# KiCad board IOT-Mess-Sens-Panelized.kicad_pcb (continued)
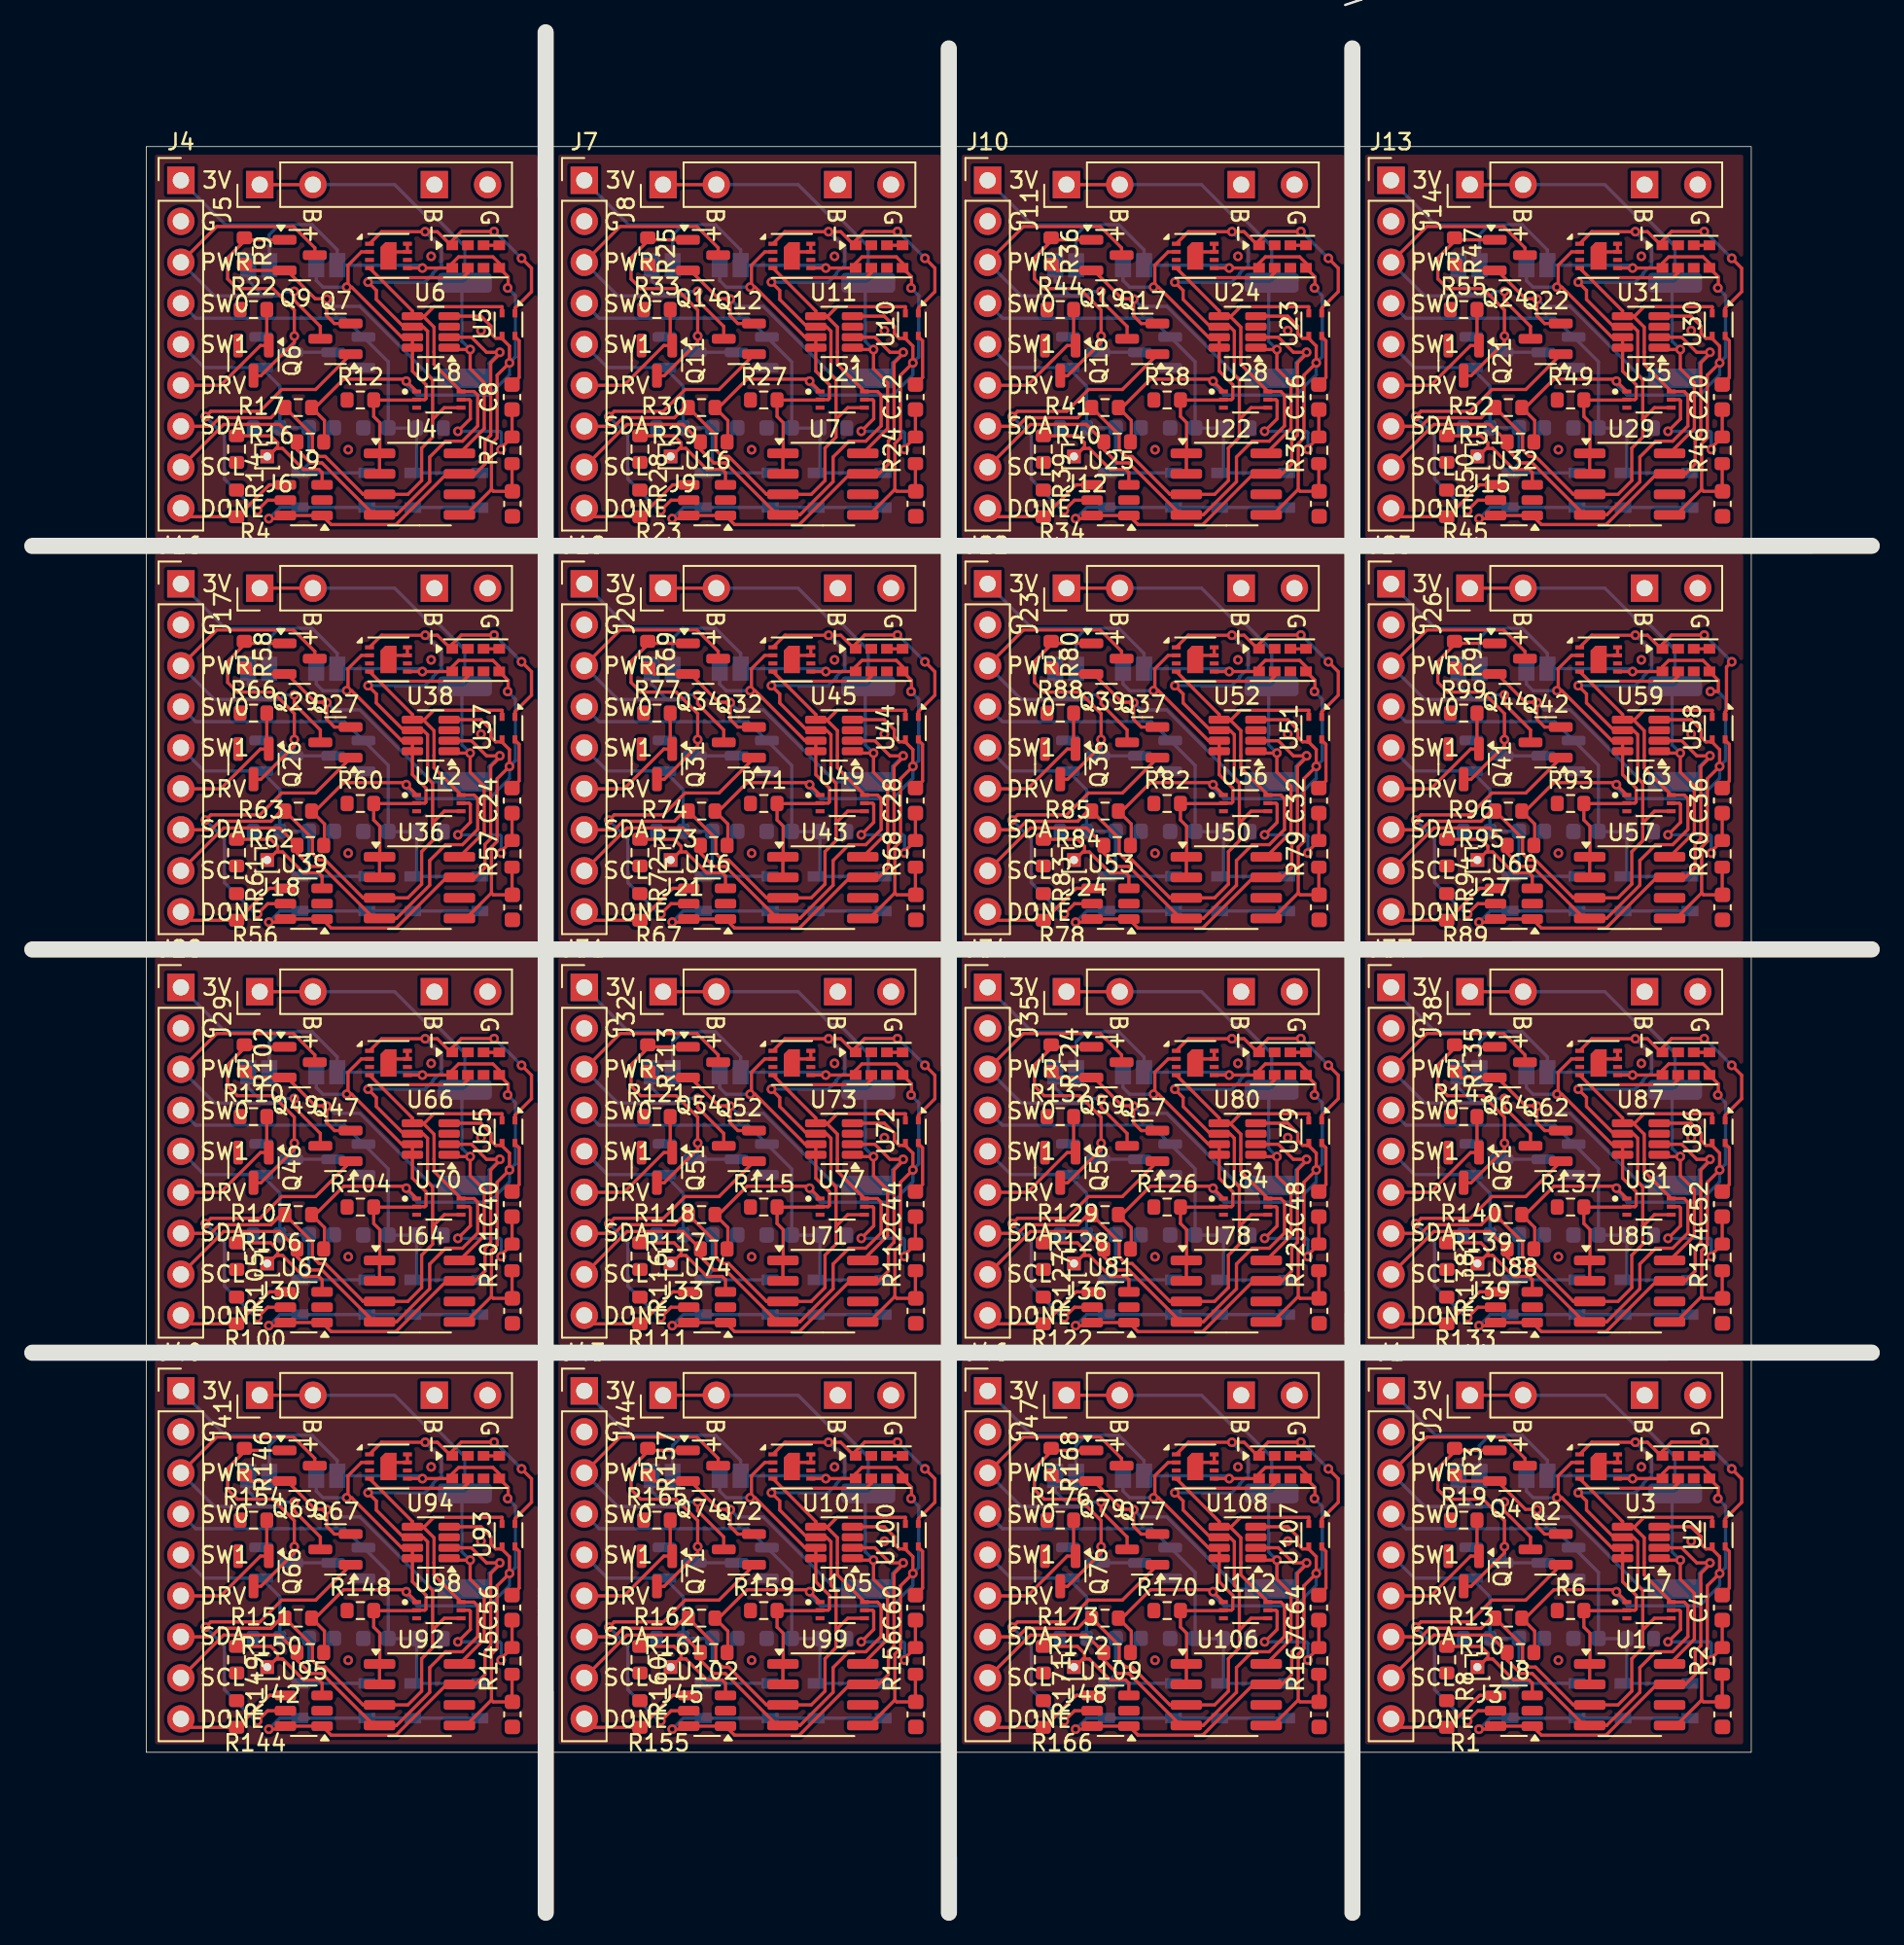
[diagram p0: board, top side]
## Routing (per net, layer and track width the routed paths; a pad name or vN(x,y) marks a point on that pad's centre or on a via; arc(x,y) is an arc through that point) (continued)
GND: length 81.3
  Top w0.2: C16.2 80.17,95.12 80.17,97.39 79.91,97.65 U23.4 ; U27.9 72.32,102.9 U27.7 U27.8 ; C4.2 105.17,20.12 105.17,22.39 104.91,22.65 U2.4 ; C40.2 30.17,45.12 30.17,47.39 29.91,47.65 U65.4 ; C60.2 55.17,20.12 55.17,22.39 54.91,22.65 U100.4 ; U93.4 29.91,22.65 30.17,22.39 30.17,20.12 C56.2 ; U69.8 U69.7 22.32,52.9 U69.9 ; C28.2 55.17,70.12 55.17,72.39 54.91,72.65 U44.4 ; U107.4 79.91,22.65 80.17,22.39 80.17,20.12 C64.2 ; U20.8 U20.7 47.32,102.9 U20.9 ; U79.4 79.91,47.65 80.17,47.39 80.17,45.12 C48.2 ; U62.8 U62.7 97.32,77.9 U62.9 ; U51.4 79.91,72.65 80.17,72.39 80.17,70.12 C32.2 ; U10.4 54.91,97.65 55.17,97.39 55.17,95.12 C12.2 ; U48.8 U48.7 47.32,77.9 U48.9 ; U41.8 U41.7 22.32,77.9 U41.9 ; U104.9 47.32,27.9 U104.7 U104.8 ; U58.4 104.91,72.65 105.17,72.39 105.17,70.12 C36.2 ; U76.9 47.32,52.9 U76.7 U76.8 ; U15.9 22.32,102.9 U15.7 U15.8 ; C44.2 55.17,45.12 55.17,47.39 54.91,47.65 U72.4 ; U30.4 104.91,97.65 105.17,97.39 105.17,95.12 C20.2 ; U111.9 72.32,27.9 U111.7 U111.8 ; U55.9 72.32,77.9 U55.7 U55.8 ; U90.8 U90.7 97.32,52.9 U90.9 ; C24.2 30.17,70.12 30.17,72.39 29.91,72.65 U37.4 ; U34.8 U34.7 97.32,102.9 U34.9 ; U97.9 22.32,27.9 U97.7 U97.8 ; C52.2 105.17,45.12 105.17,47.39 104.91,47.65 U86.4 ; U5.4 29.91,97.65 30.17,97.39 30.17,95.12 C8.2 ; U83.9 72.32,52.9 U83.7 U83.8 ; U13.8 U13.7 97.32,27.9 U13.9
(no net):
  vias: v1(19.58,90.64) v1(19.58,65.64) v1(19.58,40.64) v1(19.58,15.64) v1(24.72,102.62) v1(24.72,77.62) v1(24.72,52.62) v1(24.72,27.62) v1(27.81,98.02) v1(27.81,73.02) v1(27.81,48.02) v1(27.81,23.02) v1(44.58,90.64) v1(44.58,65.64) v1(44.58,40.64) v1(44.58,15.64) v1(49.72,102.62) v1(49.72,77.62) v1(49.72,52.62) v1(49.72,27.62) v1(52.81,98.02) v1(52.81,73.02) v1(52.81,48.02) v1(52.81,23.02) v1(69.58,90.64) v1(69.58,65.64) v1(69.58,40.64) v1(69.58,15.64) v1(74.72,102.62) v1(74.72,77.62) v1(74.72,52.62) v1(74.72,27.62) v1(77.81,98.02) v1(77.81,73.02) v1(77.81,48.02) v1(77.81,23.02) v1(94.58,90.64) v1(94.58,65.64) v1(94.58,40.64) v1(94.58,15.64) v1(99.72,102.62) v1(99.72,77.62) v1(99.72,52.62) v1(99.72,27.62) v1(102.81,98.02) v1(102.81,73.02) v1(102.81,48.02) v1(102.81,23.02)
ADDR: length 371.4
  Top w0.2: U85.2 U85.1 96.54,40.43 96.54,42.32 96.16,42.7 R137.2 ; R115.2 46.16,42.7 46.54,42.32 46.54,40.43 U71.1 U71.2 ; U69.2 20.4,52.9 19.57,52.07 19.57,50.79 v1(19.49,50.71) 19.8,50.71 22.9,47.61 U66.7 U66.8 23.56,45.51 24.4,44.67 24.4,43.82 24.32,43.74 U70.2 23.79,43.71 21.54,43.71 ; U78.2 U78.1 71.54,40.43 71.54,42.32 71.16,42.7 R126.2 ; R38.2 71.16,92.7 71.54,92.32 71.54,90.43 U22.1 U22.2 ; 46.54,93.71 48.79,93.71 U21.2 49.32,93.74 49.4,93.82 49.4,94.67 48.56,95.51 U11.8 U11.7 47.9,97.61 44.8,100.71 v1(44.49,100.71) 44.57,100.79 44.57,102.07 45.4,102.9 U20.2 ; R148.2 21.16,17.7 21.54,17.32 21.54,15.43 U92.1 U92.2 ; 46.54,18.71 48.79,18.71 U105.2 49.32,18.74 49.4,18.82 49.4,19.67 48.56,20.51 U101.8 U101.7 47.9,22.61 44.8,25.71 v1(44.49,25.71) 44.57,25.79 44.57,27.07 45.4,27.9 U104.2 ; R93.2 96.16,67.7 96.54,67.32 96.54,65.43 U57.1 U57.2 ; R6.2 96.16,17.7 96.54,17.32 96.54,15.43 U1.1 U1.2 ; R49.2 96.16,92.7 96.54,92.32 96.54,90.43 U29.1 U29.2 ; U15.2 20.4,102.9 19.57,102.07 19.57,100.79 v1(19.49,100.71) 19.8,100.71 22.9,97.61 U6.7 U6.8 23.56,95.51 24.4,94.67 24.4,93.82 24.32,93.74 U18.2 23.79,93.71 21.54,93.71 ; U62.2 95.4,77.9 94.57,77.07 94.57,75.79 v1(94.49,75.71) 94.8,75.71 97.9,72.61 U59.7 U59.8 98.56,70.51 99.4,69.67 99.4,68.82 99.32,68.74 U63.2 98.79,68.71 96.54,68.71 ; U36.2 U36.1 21.54,65.43 21.54,67.32 21.16,67.7 R60.2 ; R27.2 46.16,92.7 46.54,92.32 46.54,90.43 U7.1 U7.2 ; R104.2 21.16,42.7 21.54,42.32 21.54,40.43 U64.1 U64.2 ; 96.54,43.71 98.79,43.71 U91.2 99.32,43.74 99.4,43.82 99.4,44.67 98.56,45.51 U87.8 U87.7 97.9,47.61 94.8,50.71 v1(94.49,50.71) 94.57,50.79 94.57,52.07 95.4,52.9 U90.2 ; U76.2 45.4,52.9 44.57,52.07 44.57,50.79 v1(44.49,50.71) 44.8,50.71 47.9,47.61 U73.7 U73.8 48.56,45.51 49.4,44.67 49.4,43.82 49.32,43.74 U77.2 48.79,43.71 46.54,43.71 ; R159.2 46.16,17.7 46.54,17.32 46.54,15.43 U99.1 U99.2 ; U41.2 20.4,77.9 19.57,77.07 19.57,75.79 v1(19.49,75.71) 19.8,75.71 22.9,72.61 U38.7 U38.8 23.56,70.51 24.4,69.67 24.4,68.82 24.32,68.74 U42.2 23.79,68.71 21.54,68.71 ; U43.2 U43.1 46.54,65.43 46.54,67.32 46.16,67.7 R71.2 ; 46.54,68.71 48.79,68.71 U49.2 49.32,68.74 49.4,68.82 49.4,69.67 48.56,70.51 U45.8 U45.7 47.9,72.61 44.8,75.71 v1(44.49,75.71) 44.57,75.79 44.57,77.07 45.4,77.9 U48.2 ; 71.54,68.71 73.79,68.71 U56.2 74.32,68.74 74.4,68.82 74.4,69.67 73.56,70.51 U52.8 U52.7 72.9,72.61 69.8,75.71 v1(69.49,75.71) 69.57,75.79 69.57,77.07 70.4,77.9 U55.2 ; U106.2 U106.1 71.54,15.43 71.54,17.32 71.16,17.7 R170.2 ; U83.2 70.4,52.9 69.57,52.07 69.57,50.79 v1(69.49,50.71) 69.8,50.71 72.9,47.61 U80.7 U80.8 73.56,45.51 74.4,44.67 74.4,43.82 74.32,43.74 U84.2 73.79,43.71 71.54,43.71 ; 21.54,18.71 23.79,18.71 U98.2 24.32,18.74 24.4,18.82 24.4,19.67 23.56,20.51 U94.8 U94.7 22.9,22.61 19.8,25.71 v1(19.49,25.71) 19.57,25.79 19.57,27.07 20.4,27.9 U97.2 ; U27.2 70.4,102.9 69.57,102.07 69.57,100.79 v1(69.49,100.71) 69.8,100.71 72.9,97.61 U24.7 U24.8 73.56,95.51 74.4,94.67 74.4,93.82 74.32,93.74 U28.2 73.79,93.71 71.54,93.71 ; 96.54,93.71 98.79,93.71 U35.2 99.32,93.74 99.4,93.82 99.4,94.67 98.56,95.51 U31.8 U31.7 97.9,97.61 94.8,100.71 v1(94.49,100.71) 94.57,100.79 94.57,102.07 95.4,102.9 U34.2 ; 96.54,18.71 98.79,18.71 U17.2 99.32,18.74 99.4,18.82 99.4,19.67 98.56,20.51 U3.8 U3.7 97.9,22.61 94.8,25.71 v1(94.49,25.71) 94.57,25.79 94.57,27.07 95.4,27.9 U13.2 ; R12.2 21.16,92.7 21.54,92.32 21.54,90.43 U4.1 U4.2 ; R82.2 71.16,67.7 71.54,67.32 71.54,65.43 U50.1 U50.2 ; U111.2 70.4,27.9 69.57,27.07 69.57,25.79 v1(69.49,25.71) 69.8,25.71 72.9,22.61 U108.7 U108.8 73.56,20.51 74.4,19.67 74.4,18.82 74.32,18.74 U112.2 73.79,18.71 71.54,18.71
  Bottom w0.2: JP30.1 17.6,26.12 18.01,25.71 v1(19.49,25.71) ; JP24.1 42.6,51.12 43.01,50.71 v1(44.49,50.71) ; v1(94.49,100.71) 93.01,100.71 92.6,101.12 JP12.1 ; v1(19.49,75.71) 18.01,75.71 17.6,76.12 JP14.1 ; JP34.1 67.6,26.12 68.01,25.71 v1(69.49,25.71) ; v1(94.49,75.71) 93.01,75.71 92.6,76.12 JP20.1 ; v1(44.49,100.71) 43.01,100.71 42.6,101.12 JP8.1 ; JP22.1 17.6,51.12 18.01,50.71 v1(19.49,50.71) ; v1(44.49,25.71) 43.01,25.71 42.6,26.12 JP32.1 ; v1(44.49,75.71) 43.01,75.71 42.6,76.12 JP16.1 ; JP6.1 17.6,101.12 18.01,100.71 v1(19.49,100.71) ; JP26.1 67.6,51.12 68.01,50.71 v1(69.49,50.71) ; v1(69.49,100.71) 68.01,100.71 67.6,101.12 JP10.1 ; v1(94.49,50.71) 93.01,50.71 92.6,51.12 JP28.1 ; v1(69.49,75.71) 68.01,75.71 67.6,76.12 JP18.1 ; JP4.1 92.6,26.12 93.01,25.71 v1(94.49,25.71)
DONE: length 120.2
  Top w0.2: J28.9 9.73,36.49 12.72,36.49 14.69,38.46 U67.4 ; U53.4 64.69,63.46 62.72,61.49 59.73,61.49 J22.9 ; J25.9 84.73,61.49 87.72,61.49 89.69,63.46 U60.4 ; U95.4 14.69,13.46 12.72,11.49 9.73,11.49 J40.9 ; U81.4 64.69,38.46 62.72,36.49 59.73,36.49 J34.9 ; U25.4 64.69,88.46 62.72,86.49 59.73,86.49 J10.9 ; U74.4 39.69,38.46 37.72,36.49 34.73,36.49 J31.9 ; J16.9 9.73,61.49 12.72,61.49 14.69,63.46 U39.4 ; U32.4 89.69,88.46 87.72,86.49 84.73,86.49 J13.9 ; J1.9 84.73,11.49 87.72,11.49 89.69,13.46 U8.4 ; U16.4 39.69,88.46 37.72,86.49 34.73,86.49 J7.9 ; J4.9 9.73,86.49 12.72,86.49 14.69,88.46 U9.4 ; U109.4 64.69,13.46 62.72,11.49 59.73,11.49 J46.9 ; J43.9 34.73,11.49 37.72,11.49 39.69,13.46 U102.4 ; U88.4 89.69,38.46 87.72,36.49 84.73,36.49 J37.9 ; J19.9 34.73,61.49 37.72,61.49 39.69,63.46 U46.4
EN: length 140
  Top w0.2: R44.2 64.53,97.22 Q16.1 64.14,97.1 61.67,94.63 J10.6 ; R19.2 89.53,22.22 Q1.1 89.14,22.1 86.67,19.63 J1.6 ; R33.2 39.53,97.22 Q11.1 39.14,97.1 36.67,94.63 J7.6 ; J31.6 36.67,44.63 39.14,47.1 Q51.1 39.53,47.22 R121.2 ; J34.6 61.67,44.63 64.14,47.1 Q56.1 64.53,47.22 R132.2 ; R154.2 14.53,22.22 Q66.1 14.14,22.1 11.67,19.63 J40.6 ; J13.6 86.67,94.63 89.14,97.1 Q21.1 89.53,97.22 R55.2 ; R110.2 14.53,47.22 Q46.1 14.14,47.1 11.67,44.63 J28.6 ; J25.6 86.67,69.63 89.14,72.1 Q41.1 89.53,72.22 R99.2 ; J16.6 11.67,69.63 14.14,72.1 Q26.1 14.53,72.22 R66.2 ; R22.2 14.53,97.22 Q6.1 14.14,97.1 11.67,94.63 J4.6 ; R176.2 64.53,22.22 Q76.1 64.14,22.1 61.67,19.63 J46.6 ; R77.2 39.53,72.22 Q31.1 39.14,72.1 36.67,69.63 J19.6 ; J37.6 86.67,44.63 89.14,47.1 Q61.1 89.53,47.22 R143.2 ; R165.2 39.53,22.22 Q71.1 39.14,22.1 36.67,19.63 J43.6 ; J22.6 61.67,69.63 64.14,72.1 Q36.1 64.53,72.22 R88.2
LSW0: length 439.2
  Bottom w0.2: 47.06,91.99 47.06,96.08 Q15.1 44.36,98.79 35.13,98.79 J7.4 ; 96.85,16.98 98.82,16.98 98.82,14.45 SW2.2 102.74,14.21 ; J40.4 10.13,23.79 19.36,23.79 Q70.1 22.06,21.08 22.06,16.99 ; C54.1 97.06,46.08 Q65.1 94.36,48.79 85.13,48.79 J37.4 ; 46.85,16.98 R164.2 48.83,14.45 SW30.2 52.74,14.21 ; 52.74,39.21 SW22.2 48.83,39.45 R120.2 46.85,41.98 ; 102.74,64.21 SW18.2 98.82,64.45 98.82,66.98 96.85,66.98 ; 52.74,64.21 SW14.2 48.83,64.45 R76.2 46.85,66.98 ; 22.06,41.99 22.06,46.08 Q50.1 19.36,48.79 10.13,48.79 J28.4 ; 52.74,89.21 SW6.2 48.83,89.45 R32.2 46.85,91.98 ; J10.4 60.13,98.79 69.36,98.79 Q20.1 72.06,96.08 C18.1 ; J34.4 60.13,48.79 69.36,48.79 Q60.1 72.06,46.08 C50.1 ; J46.4 60.13,23.79 69.36,23.79 Q80.1 72.06,21.08 C66.1 ; 21.85,41.98 R109.2 23.83,39.45 SW20.2 SW20.2 ; 96.85,91.98 98.82,91.98 98.82,89.45 SW10.2 102.74,89.21 ; 71.85,66.98 73.82,66.98 73.82,64.45 SW16.2 77.74,64.21 ; 22.06,66.99 22.06,71.08 Q30.1 19.36,73.79 10.13,73.79 J16.4 ; 22.06,91.99 22.06,96.08 Q10.1 19.36,98.79 10.13,98.79 J4.4 ; SW28.2 SW28.2 23.83,14.45 R153.2 21.85,16.98 ; 71.85,16.98 73.82,16.98 73.82,14.45 SW32.2 77.74,14.21 ; 77.74,89.21 SW8.2 73.82,89.45 73.82,91.98 71.85,91.98 ; 96.85,41.98 98.82,41.98 98.82,39.45 SW26.2 102.74,39.21 ; 47.06,66.99 47.06,71.08 Q35.1 44.36,73.79 35.13,73.79 J19.4 ; J1.4 85.13,23.79 94.36,23.79 Q5.1 97.06,21.08 C6.1 ; C34.1 72.06,71.08 Q40.1 69.36,73.79 60.13,73.79 J22.4 ; J31.4 35.13,48.79 44.36,48.79 Q55.1 47.06,46.08 47.06,41.99 ; 21.85,66.98 R65.2 23.83,64.45 SW12.2 SW12.2 ; C22.1 97.06,96.08 Q25.1 94.36,98.79 85.13,98.79 J13.4 ; J25.4 85.13,73.79 94.36,73.79 Q45.1 97.06,71.08 C38.1 ; 21.85,91.98 R21.2 23.83,89.45 SW4.2 SW4.2 ; 71.85,41.98 73.82,41.98 73.82,39.45 SW24.2 77.74,39.21 ; J43.4 35.13,23.79 44.36,23.79 Q75.1 47.06,21.08 47.06,16.99
LSW1: length 300
  Bottom w0.2: SW15.2 SW15.2 42.14,64.77 C29.1 R70.2 40.34,69.57 Q33.1 35.65,70.73 J19.5 ; SW31.2 SW31.2 42.14,14.77 C61.1 R158.2 40.34,19.57 Q73.1 35.65,20.73 J43.5 ; SW3.2 SW3.2 92.14,14.77 C5.1 R5.2 90.34,19.57 Q3.1 85.65,20.73 J1.5 ; J7.5 35.65,95.73 Q13.1 40.34,94.57 R26.2 C13.1 42.14,89.77 SW7.2 SW7.2 ; J22.5 60.65,70.73 Q38.1 65.34,69.57 R81.2 C33.1 67.14,64.77 SW17.2 SW17.2 ; SW9.2 SW9.2 67.14,89.77 C17.1 R37.2 65.34,94.57 Q18.1 60.65,95.73 J10.5 ; J25.5 85.65,70.73 Q43.1 90.34,69.57 R92.2 C37.1 92.14,64.77 SW19.2 SW19.2 ; J13.5 85.65,95.73 Q23.1 90.34,94.57 R48.2 C21.1 92.14,89.77 SW11.2 SW11.2 ; J4.5 10.65,95.73 Q8.1 15.34,94.57 R11.2 C9.1 17.14,89.77 SW5.2 SW5.2 ; J46.5 60.65,20.73 Q78.1 65.34,19.57 R169.2 C65.1 67.14,14.77 SW33.2 SW33.2 ; SW13.2 SW13.2 17.14,64.77 C25.1 R59.2 15.34,69.57 Q28.1 10.65,70.73 J16.5 ; J37.5 85.65,45.73 Q63.1 90.34,44.57 R136.2 C53.1 92.14,39.77 SW27.2 SW27.2 ; J31.5 35.65,45.73 Q53.1 40.34,44.57 R114.2 C45.1 42.14,39.77 SW23.2 SW23.2 ; J28.5 10.65,45.73 Q48.1 15.34,44.57 R103.2 C41.1 17.14,39.77 SW21.2 SW21.2 ; J34.5 60.65,45.73 Q58.1 65.34,44.57 R125.2 C49.1 67.14,39.77 SW25.2 SW25.2 ; SW29.2 SW29.2 17.14,14.77 C57.1 R147.2 15.34,19.57 Q68.1 10.65,20.73 J40.5
PWR: length 402.2
  Top w0.2: Q17.3 67.85,98.28 66.24,99.89 v1(66.24,100.45) ; v1(66.24,75.45) 66.24,74.89 67.85,73.28 Q37.3 ; J28.3 11.43,54.47 16.19,54.47 17.51,53.15 Q49.3 ; v1(16.24,100.45) 16.24,99.89 17.85,98.28 Q7.3 ; Q54.3 42.51,53.15 41.19,54.47 36.43,54.47 J31.3 ; Q64.3 92.51,53.15 91.19,54.47 86.43,54.47 J37.3 ; Q32.3 42.85,73.28 41.24,74.89 v1(41.24,75.45) ; Q12.3 42.85,98.28 41.24,99.89 v1(41.24,100.45) ; v1(91.24,50.45) 91.24,49.89 92.85,48.28 Q62.3 ; Q72.3 42.85,23.28 41.24,24.89 v1(41.24,25.45) ; J7.3 36.43,104.47 41.19,104.47 42.51,103.15 Q14.3 ; Q47.3 17.85,48.28 16.24,49.89 v1(16.24,50.45) ; v1(16.24,25.45) 16.24,24.89 17.85,23.28 Q67.3 ; J16.3 11.43,79.47 16.19,79.47 17.51,78.15 Q29.3 ; J19.3 36.43,79.47 41.19,79.47 42.51,78.15 Q34.3 ; Q2.3 92.85,23.28 91.24,24.89 v1(91.24,25.45) ; Q9.3 17.51,103.15 16.19,104.47 11.43,104.47 J4.3 ; Q27.3 17.85,73.28 16.24,74.89 v1(16.24,75.45) ; J34.3 61.43,54.47 66.19,54.47 67.51,53.15 Q59.3 ; Q74.3 42.51,28.15 41.19,29.47 36.43,29.47 J43.3 ; Q77.3 67.85,23.28 66.24,24.89 v1(66.24,25.45) ; v1(91.24,100.45) 91.24,99.89 92.85,98.28 Q22.3 ; Q69.3 17.51,28.15 16.19,29.47 11.43,29.47 J40.3 ; J25.3 86.43,79.47 91.19,79.47 92.51,78.15 Q44.3 ; Q19.3 67.51,103.15 66.19,104.47 61.43,104.47 J10.3 ; v1(66.24,50.45) 66.24,49.89 67.85,48.28 Q57.3 ; v1(91.24,75.45) 91.24,74.89 92.85,73.28 Q42.3 ; Q52.3 42.85,48.28 41.24,49.89 v1(41.24,50.45) ; Q24.3 92.51,103.15 91.19,104.47 86.43,104.47 J13.3 ; Q39.3 67.51,78.15 66.19,79.47 61.43,79.47 J22.3 ; Q79.3 67.51,28.15 66.19,29.47 61.43,29.47 J46.3 ; J1.3 86.43,29.47 91.19,29.47 92.51,28.15 Q4.3
  Bottom w0.2: v1(41.24,25.45) 40.64,25.45 40.36,25.17 ; 65.36,25.17 65.64,25.45 v1(66.24,25.45) ; 65.36,25.17 61.29,25.17 J46.3 ; 65.36,25.17 64.33,25.17 63.39,26.11 JP35.1 ; 90.36,100.17 86.29,100.17 J13.3 ; 90.36,100.17 90.64,100.45 v1(91.24,100.45) ; 90.36,100.17 89.33,100.17 88.39,101.11 JP13.1 ; J28.3 11.29,50.17 15.36,50.17 ; 40.36,75.17 39.33,75.17 38.39,76.11 JP17.1 ; 40.36,75.17 36.29,75.17 J19.3 ; 40.36,75.17 40.64,75.45 v1(41.24,75.45) ; v1(91.24,75.45) 90.64,75.45 90.36,75.17 ; v1(66.24,100.45) 65.64,100.45 65.36,100.17 ; 65.36,100.17 64.33,100.17 63.39,101.11 JP11.1 ; 65.36,100.17 61.29,100.17 J10.3 ; 65.36,50.17 61.29,50.17 J34.3 ; 65.36,50.17 64.33,50.17 63.39,51.11 JP27.1 ; 65.36,50.17 65.64,50.45 v1(66.24,50.45) ; 40.36,100.17 40.64,100.45 v1(41.24,100.45) ; 40.36,100.17 39.33,100.17 38.39,101.11 JP9.1 ; 40.36,100.17 36.29,100.17 J7.3 ; 40.36,25.17 36.29,25.17 J43.3 ; 40.36,25.17 39.33,25.17 38.39,26.11 JP33.1 ; JP5.1 88.39,26.11 89.33,25.17 90.36,25.17 ; v1(16.24,75.45) 15.64,75.45 15.36,75.17 ; J4.3 11.29,100.17 15.36,100.17 ; 15.36,50.17 15.64,50.45 v1(16.24,50.45) ; 15.36,50.17 14.33,50.17 13.39,51.11 JP23.1 ; 90.36,75.17 86.29,75.17 J25.3 ; 90.36,75.17 89.33,75.17 88.39,76.11 JP21.1 ; 90.36,50.17 90.64,50.45 v1(91.24,50.45) ; 90.36,50.17 86.29,50.17 J37.3 ; 90.36,50.17 89.33,50.17 88.39,51.11 JP29.1 ; 15.36,25.17 15.64,25.45 v1(16.24,25.45) ; 15.36,25.17 14.33,25.17 13.39,26.11 JP31.1 ; 15.36,25.17 11.29,25.17 J40.3 ; 15.36,100.17 14.33,100.17 13.39,101.11 JP7.1 ; 15.36,100.17 15.64,100.45 v1(16.24,100.45) ; v1(41.24,50.45) 40.64,50.45 40.36,50.17 ; J31.3 36.29,50.17 40.36,50.17 ; 65.36,75.17 61.29,75.17 J22.3 ; 65.36,75.17 64.33,75.17 63.39,76.11 JP19.1 ; 65.36,75.17 65.64,75.45 v1(66.24,75.45) ; 90.36,25.17 86.29,25.17 J1.3 ; 90.36,25.17 90.64,25.45 v1(91.24,25.45) ; 15.36,75.17 11.29,75.17 J16.3 ; 15.36,75.17 14.33,75.17 13.39,76.11 JP15.1 ; 40.36,50.17 39.33,50.17 38.39,51.11 JP25.1
SCL_0: length 813.6
  Top w0.2: U107.2 79.11,24.5 74.88,24.5 74.3,23.91 U108.5 ; 21.5,51.29 U69.4 20.87,51.86 ; 21.5,51.29 26.68,51.29 27,51.61 U68.7 ; 21.5,51.29 23.56,49.24 U66.5 ; U44.2 54.11,74.5 49.88,74.5 49.3,73.91 U45.5 ; U108.5 74.22,23.91 74.9,23.23 74.9,20.93 76.57,19.26 ; U108.5 73.56,24.24 71.5,26.29 ; 46.5,101.29 51.68,101.29 52,101.61 U19.7 ; 46.5,101.29 48.56,99.24 U11.5 ; 46.5,101.29 U20.4 45.87,101.86 ; 96.5,26.29 101.68,26.29 102,26.61 U12.7 ; 96.5,26.29 98.56,24.24 U3.5 ; 96.5,26.29 U13.4 95.87,26.86 ; U54.7 77,76.61 76.68,76.29 71.5,76.29 ; 101.57,44.26 99.9,45.93 99.9,48.23 99.22,48.91 U87.5 ; U94.5 24.3,23.91 24.88,24.5 29.11,24.5 U93.2 ; U94.5 24.22,23.91 24.9,23.23 24.9,20.93 26.57,19.26 ; U94.5 23.56,24.24 21.5,26.29 ; 21.5,101.29 23.56,99.24 U6.5 ; 21.5,101.29 26.68,101.29 27,101.61 U14.7 ; 21.5,101.29 U15.4 20.87,101.86 ; 21.5,76.29 U41.4 20.87,76.86 ; 21.5,76.29 23.56,74.24 U38.5 ; 21.5,76.29 26.68,76.29 27,76.61 U40.7 ; U89.7 102,51.61 101.68,51.29 96.5,51.29 ; U82.7 77,51.61 76.68,51.29 71.5,51.29 ; U38.5 24.3,73.91 24.88,74.5 29.11,74.5 U37.2 ; U38.5 24.22,73.91 24.9,73.23 24.9,70.93 26.57,69.26 ; U17.6 102.38,19.24 102.61,19.02 102.61,17.11 101.66,16.17 100.61,16.17 99.63,15.19 99.63,13.66 97.57,11.6 U1.4 96.18,11.6 92.96,14.82 92.24,14.82 91.41,15.65 R13.1 90.33,17.2 86.86,17.2 J1.8 ; U49.6 52.38,69.24 52.61,69.02 52.61,67.11 51.66,66.17 50.61,66.17 49.63,65.19 49.63,63.66 47.57,61.6 U43.4 46.18,61.6 42.96,64.82 42.23,64.82 41.41,65.64 R74.1 40.33,67.2 36.86,67.2 J19.8 ; U33.7 102,101.61 101.68,101.29 96.5,101.29 ; U80.5 74.3,48.91 74.88,49.5 79.11,49.5 U79.2 ; U80.5 73.56,49.24 71.5,51.29 ; U80.5 74.22,48.91 74.9,48.23 74.9,45.93 76.57,44.26 ; 51.57,69.26 49.9,70.93 49.9,73.23 49.22,73.91 U45.5 ; 96.5,51.29 98.56,49.24 U87.5 ; 96.5,51.29 U90.4 95.87,51.86 ; 46.5,26.29 51.68,26.29 52,26.61 U103.7 ; 46.5,26.29 48.56,24.24 U101.5 ; 46.5,26.29 U104.4 45.87,26.86 ; U73.5 49.22,48.91 49.9,48.23 49.9,45.93 51.57,44.26 ; U73.5 48.56,49.24 46.5,51.29 ; U73.5 49.3,48.91 49.88,49.5 54.11,49.5 U72.2 ; U96.7 27,26.61 26.68,26.29 21.5,26.29 ; U31.5 99.22,98.91 99.9,98.23 99.9,95.93 101.57,94.26 ; U31.5 98.56,99.24 96.5,101.29 ; U31.5 99.3,98.91 99.88,99.5 104.11,99.5 U30.2 ; U10.2 54.11,99.5 49.88,99.5 49.3,98.91 U11.5 ; U84.6 77.38,44.24 77.61,44.02 77.61,42.11 76.66,41.17 75.61,41.17 74.63,40.19 74.63,38.66 72.57,36.6 U78.4 71.18,36.6 67.96,39.82 67.24,39.82 66.41,40.64 R129.1 65.33,42.2 61.86,42.2 J34.8 ; U59.5 99.22,73.91 99.9,73.23 99.9,70.93 101.57,69.26 ; U59.5 99.3,73.91 99.88,74.5 104.11,74.5 U58.2 ; U59.5 98.56,74.24 96.5,76.29 ; 96.5,101.29 U34.4 95.87,101.86 ; 95.87,76.86 U62.4 96.5,76.29 ; J40.8 11.86,17.2 15.33,17.2 R151.1 16.41,15.65 17.23,14.82 17.96,14.82 21.18,11.6 U92.4 22.57,11.6 24.63,13.66 24.63,15.19 25.61,16.17 26.66,16.17 27.61,17.11 27.61,19.02 27.38,19.24 U98.6 ; U23.2 79.11,99.5 74.88,99.5 74.3,98.91 U24.5 ; 96.5,76.29 101.68,76.29 102,76.61 U61.7 ; 70.87,76.86 U55.4 71.5,76.29 ; 45.87,51.86 U76.4 46.5,51.29 ; J37.8 86.86,42.2 90.33,42.2 R140.1 91.41,40.64 92.24,39.82 92.96,39.82 96.18,36.6 U85.4 97.57,36.6 99.63,38.66 99.63,40.19 100.61,41.17 101.66,41.17 102.61,42.11 102.61,44.02 102.38,44.24 U91.6 ; U65.2 29.11,49.5 24.88,49.5 24.3,48.91 U66.5 ; J43.8 36.86,17.2 40.33,17.2 R162.1 41.41,15.65 42.23,14.82 42.96,14.82 46.18,11.6 U99.4 47.57,11.6 49.63,13.66 49.63,15.19 50.61,16.17 51.66,16.17 52.61,17.11 52.61,19.02 52.38,19.24 U105.6 ; 46.5,51.29 51.68,51.29 52,51.61 U75.7 ; 26.57,44.26 24.9,45.93 24.9,48.23 24.22,48.91 U66.5 ; U5.2 29.11,99.5 24.88,99.5 24.3,98.91 U6.5 ; U45.5 48.56,74.24 46.5,76.29 ; 71.5,101.29 73.56,99.24 U24.5 ; 71.5,101.29 U27.4 70.87,101.86 ; 71.5,101.29 76.68,101.29 77,101.61 U26.7 ; 71.5,76.29 73.56,74.24 U52.5 ; U11.5 49.22,98.91 49.9,98.23 49.9,95.93 51.57,94.26 ; 71.5,51.29 U83.4 70.87,51.86 ; U3.5 99.3,23.91 99.88,24.5 104.11,24.5 U2.2 ; U3.5 99.22,23.91 99.9,23.23 99.9,20.93 101.57,19.26 ; J25.8 86.86,67.2 90.33,67.2 R96.1 91.41,65.64 92.24,64.82 92.96,64.82 96.18,61.6 U57.4 97.57,61.6 99.63,63.66 99.63,65.19 100.61,66.17 101.66,66.17 102.61,67.11 102.61,69.02 102.38,69.24 U63.6 ; U24.5 74.22,98.91 74.9,98.23 74.9,95.93 76.57,94.26 ; J28.8 11.86,42.2 15.33,42.2 R107.1 16.41,40.64 17.23,39.82 17.96,39.82 21.18,36.6 U64.4 22.57,36.6 24.63,38.66 24.63,40.19 25.61,41.17 26.66,41.17 27.61,42.11 27.61,44.02 27.38,44.24 U70.6 ; J7.8 36.86,92.2 40.33,92.2 R30.1 41.41,90.65 42.23,89.82 42.96,89.82 46.18,86.6 U7.4 47.57,86.6 49.63,88.66 49.63,90.19 50.61,91.17 51.66,91.17 52.61,92.11 52.61,94.02 52.38,94.24 U21.6 ; U35.6 102.38,94.24 102.61,94.02 102.61,92.11 101.66,91.17 100.61,91.17 99.63,90.19 99.63,88.66 97.57,86.6 U29.4 96.18,86.6 92.96,89.82 92.24,89.82 91.41,90.65 R52.1 90.33,92.2 86.86,92.2 J13.8 ; U87.5 99.3,48.91 99.88,49.5 104.11,49.5 U86.2 ; 26.57,94.26 24.9,95.93 24.9,98.23 24.22,98.91 U6.5 ; U101.5 49.3,23.91 49.88,24.5 54.11,24.5 U100.2 ; U101.5 49.22,23.91 49.9,23.23 49.9,20.93 51.57,19.26 ; U28.6 77.38,94.24 77.61,94.02 77.61,92.11 76.66,91.17 75.61,91.17 74.63,90.19 74.63,88.66 72.57,86.6 U22.4 71.18,86.6 67.96,89.82 67.24,89.82 66.41,90.65 R41.1 65.33,92.2 61.86,92.2 J10.8 ; 46.5,76.29 U48.4 45.87,76.86 ; 46.5,76.29 51.68,76.29 52,76.61 U47.7 ; J16.8 11.86,67.2 15.33,67.2 R63.1 16.41,65.64 17.23,64.82 17.96,64.82 21.18,61.6 U36.4 22.57,61.6 24.63,63.66 24.63,65.19 25.61,66.17 26.66,66.17 27.61,67.11 27.61,69.02 27.38,69.24 U42.6 ; U51.2 79.11,74.5 74.88,74.5 74.3,73.91 U52.5 ; U52.5 74.22,73.91 74.9,73.23 74.9,70.93 76.57,69.26 ; U56.6 77.38,69.24 77.61,69.02 77.61,67.11 76.66,66.17 75.61,66.17 74.63,65.19 74.63,63.66 72.57,61.6 U50.4 71.18,61.6 67.96,64.82 67.24,64.82 66.41,65.64 R85.1 65.33,67.2 61.86,67.2 J22.8 ; U77.6 52.38,44.24 52.61,44.02 52.61,42.11 51.66,41.17 50.61,41.17 49.63,40.19 49.63,38.66 47.57,36.6 U71.4 46.18,36.6 42.96,39.82 42.23,39.82 41.41,40.64 R118.1 40.33,42.2 36.86,42.2 J31.8 ; 20.87,26.86 U97.4 21.5,26.29 ; 71.5,26.29 76.68,26.29 77,26.61 U110.7 ; 71.5,26.29 U111.4 70.87,26.86 ; J46.8 61.86,17.2 65.33,17.2 R173.1 66.41,15.65 67.24,14.82 67.96,14.82 71.18,11.6 U106.4 72.57,11.6 74.63,13.66 74.63,15.19 75.61,16.17 76.66,16.17 77.61,17.11 77.61,19.02 77.38,19.24 U112.6 ; U18.6 27.38,94.24 27.61,94.02 27.61,92.11 26.66,91.17 25.61,91.17 24.63,90.19 24.63,88.66 22.57,86.6 U4.4 21.18,86.6 17.96,89.82 17.23,89.82 16.41,90.65 R17.1 15.33,92.2 11.86,92.2 J4.8
SDA_0: length 920.6
  Top w0.2: v1(30.32,102.5) 30.94,101.89 30.94,100.43 29.91,99.4 U5.1 ; 99.81,67.52 100.53,68.24 U63.4 ; 99.81,67.52 99.81,69.97 99.5,70.28 99.5,72.98 99.22,73.26 ; 99.81,67.52 99.81,66.42 99.13,65.74 99.13,63.73 98.28,62.87 U57.3 95.51,62.87 93.16,65.22 92.77,65.22 92.36,65.63 92.36,66.55 R95.2 ; 101.06,53.3 U89.1 ; U89.1 101.03,53.59 101.59,54.16 v1(103.62,54.16) ; U89.1 100.95,53.3 100.1,54.15 v1(99.35,54.15) 96.65,54.15 U90.1 ; U47.1 50.95,78.3 50.1,79.15 v1(49.35,79.15) 46.65,79.15 U48.1 ; U47.1 51.06,78.3 ; U47.1 51.03,78.59 51.59,79.16 v1(53.62,79.16) ; 40.42,43.25 39.79,42.62 36.61,42.62 36.08,42.09 J31.7 ; 90.42,18.25 89.79,17.62 86.61,17.62 86.08,17.09 J1.7 ; U97.1 21.65,29.15 v1(24.35,29.15) 25.1,29.15 25.95,28.3 U96.1 ; U26.1 75.95,103.3 75.1,104.15 v1(74.35,104.15) 71.65,104.15 U27.1 ; U26.1 76.03,103.59 76.59,104.16 v1(78.62,104.16) ; U26.1 76.06,103.3 ; 26.06,53.3 U68.1 ; U68.1 26.03,53.59 26.59,54.16 v1(28.62,54.16) ; U68.1 25.95,53.3 25.1,54.15 v1(24.35,54.15) 21.65,54.15 U69.1 ; 49.81,17.52 49.81,19.97 49.5,20.28 49.5,22.98 49.22,23.26 ; 49.81,17.52 49.81,16.42 49.13,15.74 49.13,13.73 48.28,12.87 U99.3 45.51,12.87 43.16,15.22 42.77,15.22 42.36,15.63 42.36,16.55 R161.2 ; 49.81,17.52 50.53,18.24 U105.4 ; v1(95.81,76.02) 96.32,75.51 96.32,74.95 98.01,73.26 U59.6 ; v1(55.32,77.5) 55.94,76.89 55.94,75.43 54.91,74.4 U44.1 ; U45.6 48.01,73.26 46.32,74.95 46.32,75.51 v1(45.81,76.02) ; 74.81,92.52 74.81,94.97 74.5,95.28 74.5,97.98 74.22,98.26 ; 74.81,92.52 75.53,93.24 U28.4 ; 74.81,92.52 74.81,91.42 74.13,90.74 74.13,88.73 73.28,87.87 U22.3 70.51,87.87 68.16,90.22 67.77,90.22 67.36,90.63 67.36,91.55 R40.2 ; U41.1 21.65,79.15 v1(24.35,79.15) 25.1,79.15 25.95,78.3 U40.1 ; U19.1 50.95,103.3 50.1,104.15 v1(49.35,104.15) 46.65,104.15 U20.1 ; U19.1 51.03,103.59 51.59,104.16 v1(53.62,104.16) ; U19.1 51.06,103.3 ; 65.42,18.25 64.79,17.62 61.61,17.62 61.08,17.09 J46.7 ; v1(20.81,101.02) 21.32,100.51 21.32,99.95 23.01,98.26 U6.6 ; v1(70.81,101.02) 71.32,100.51 71.32,99.95 73.01,98.26 U24.6 ; U14.1 26.03,103.59 26.59,104.16 v1(28.62,104.16) ; U14.1 25.95,103.3 25.1,104.15 v1(24.35,104.15) 21.65,104.15 U15.1 ; U14.1 26.06,103.3 ; v1(55.32,102.5) 55.94,101.89 55.94,100.43 54.91,99.4 U10.1 ; U84.4 75.53,43.24 74.81,42.52 ; 15.42,43.25 14.79,42.62 11.61,42.62 11.08,42.09 J28.7 ; U56.4 75.53,68.24 74.81,67.52 ; U83.1 71.65,54.15 v1(74.35,54.15) 75.1,54.15 75.95,53.3 U82.1 ; U40.1 26.03,78.59 26.59,79.16 v1(28.62,79.16) ; U40.1 26.06,78.3 ; U73.6 48.01,48.26 46.32,49.95 46.32,50.51 v1(45.81,51.02) ; 24.81,67.52 25.53,68.24 U42.4 ; 24.81,67.52 24.81,69.97 24.5,70.28 24.5,72.98 24.22,73.26 ; 24.81,67.52 24.81,66.42 24.13,65.74 24.13,63.73 23.28,62.87 U36.3 20.51,62.87 18.16,65.22 17.77,65.22 17.36,65.63 17.36,66.55 R62.2 ; U75.1 51.03,53.59 51.59,54.16 v1(53.62,54.16) ; U75.1 50.95,53.3 50.1,54.15 v1(49.35,54.15) 46.65,54.15 U76.1 ; U75.1 51.06,53.3 ; 74.81,67.52 74.81,66.42 74.13,65.74 74.13,63.73 73.28,62.87 U50.3 70.51,62.87 68.16,65.22 67.77,65.22 67.36,65.63 67.36,66.55 R84.2 ; 74.81,67.52 74.81,69.97 74.5,70.28 74.5,72.98 74.22,73.26 ; R29.2 42.36,91.55 42.36,90.63 42.77,90.22 43.16,90.22 45.51,87.87 U7.3 48.28,87.87 49.13,88.73 49.13,90.74 49.81,91.42 49.81,92.52 ; 49.22,98.26 49.5,97.98 49.5,95.28 49.81,94.97 49.81,92.52 ; v1(103.62,79.16) 101.59,79.16 101.03,78.59 U61.1 ; 24.81,17.52 24.81,19.97 24.5,20.28 24.5,22.98 24.22,23.26 ; 24.81,17.52 25.53,18.24 U98.4 ; 24.81,17.52 24.81,16.42 24.13,15.74 24.13,13.73 23.28,12.87 U92.3 20.51,12.87 18.16,15.22 17.77,15.22 17.36,15.63 17.36,16.55 R150.2 ; U93.1 29.91,24.4 30.94,25.43 30.94,26.89 v1(30.32,27.5) ; 49.81,42.52 49.81,41.42 49.13,40.74 49.13,38.73 48.28,37.87 U71.3 45.51,37.87 43.16,40.22 42.77,40.22 42.36,40.63 42.36,41.55 R117.2 ; 49.81,42.52 50.53,43.24 U77.4 ; 49.81,42.52 49.81,44.97 49.5,45.28 49.5,47.98 49.22,48.26 ; U94.6 23.01,23.26 21.32,24.95 21.32,25.51 v1(20.81,26.02) ; U72.1 54.91,49.4 55.94,50.43 55.94,51.89 v1(55.32,52.5) ; U11.6 48.01,98.26 46.32,99.95 46.32,100.51 v1(45.81,101.02) ; U12.1 100.95,28.3 100.1,29.15 v1(99.35,29.15) 96.65,29.15 U13.1 ; U12.1 101.06,28.3 ; U12.1 101.03,28.59 101.59,29.16 v1(103.62,29.16) ; 76.06,78.3 U54.1 ; U54.1 75.95,78.3 75.1,79.15 v1(74.35,79.15) 71.65,79.15 U55.1 ; U54.1 76.03,78.59 76.59,79.16 v1(78.62,79.16) ; 49.22,73.26 49.5,72.98 49.5,70.28 49.81,69.97 49.81,67.52 ; 99.81,42.52 99.81,41.42 99.13,40.74 99.13,38.73 98.28,37.87 U85.3 95.51,37.87 93.16,40.22 92.77,40.22 92.36,40.63 92.36,41.55 R139.2 ; 99.81,42.52 99.81,44.97 99.5,45.28 99.5,47.98 99.22,48.26 ; 99.81,42.52 100.53,43.24 U91.4 ; 24.22,98.26 24.5,97.98 24.5,95.28 24.81,94.97 24.81,92.52 ; U82.1 76.03,53.59 76.59,54.16 v1(78.62,54.16) ; U82.1 76.06,53.3 ; v1(30.32,52.5) 30.94,51.89 30.94,50.43 29.91,49.4 U65.1 ; v1(78.62,29.16) 76.59,29.16 76.03,28.59 U110.1 ; 90.42,93.25 89.79,92.62 86.61,92.62 86.08,92.09 J13.7 ; 24.81,92.52 25.53,93.24 U18.4 ; 24.81,92.52 24.81,91.42 24.13,90.74 24.13,88.73 23.28,87.87 U4.3 20.51,87.87 18.16,90.22 17.77,90.22 17.36,90.63 17.36,91.55 R16.2 ; 26.06,28.3 U96.1 ; U96.1 26.03,28.59 26.59,29.16 v1(28.62,29.16) ; U17.4 100.53,18.24 99.81,17.52 ; U37.1 29.91,74.4 30.94,75.43 30.94,76.89 v1(30.32,77.5) ; v1(70.81,51.02) 71.32,50.51 71.32,49.95 73.01,48.26 U80.6 ; J40.7 11.08,17.09 11.61,17.62 14.79,17.62 15.42,18.25 ; R172.2 67.36,16.55 67.36,15.63 67.77,15.22 68.16,15.22 70.51,12.87 U106.3 73.28,12.87 74.13,13.73 74.13,15.74 74.81,16.42 74.81,17.52 ; 65.42,68.25 64.79,67.62 61.61,67.62 61.08,67.09 J22.7 ; 15.42,68.25 14.79,67.62 11.61,67.62 11.08,67.09 J16.7 ; U30.1 104.91,99.4 105.94,100.43 105.94,101.89 v1(105.32,102.5) ; v1(105.32,77.5) 105,77.18 105,74.49 104.91,74.4 U58.1 ; 49.81,92.52 50.53,93.24 U21.4 ; U62.1 96.65,79.15 v1(99.35,79.15) 100.1,79.15 100.95,78.3 U61.1 ; 49.81,67.52 50.53,68.24 U49.4 ; 49.81,67.52 49.81,66.42 49.13,65.74 49.13,63.73 48.28,62.87 U43.3 45.51,62.87 43.16,65.22 42.77,65.22 42.36,65.63 42.36,66.55 R73.2 ; U23.1 79.91,99.4 80.94,100.43 80.94,101.89 v1(80.32,102.5) ; U111.1 71.65,29.15 v1(74.35,29.15) 75.1,29.15 75.95,28.3 U110.1 ; J43.7 36.08,17.09 36.61,17.62 39.79,17.62 40.42,18.25 ; 74.81,17.52 75.53,18.24 U112.4 ; 74.81,17.52 74.81,19.97 74.5,20.28 74.5,22.98 74.22,23.26 ; U70.4 25.53,43.24 24.81,42.52 ; v1(70.81,76.02) 71.32,75.51 71.32,74.95 73.01,73.26 U52.6 ; 99.81,92.52 99.81,91.42 99.13,90.74 99.13,88.73 98.28,87.87 U29.3 95.51,87.87 93.16,90.22 92.77,90.22 92.36,90.63 92.36,91.55 R51.2 ; 99.81,92.52 99.81,94.97 99.5,95.28 99.5,97.98 99.22,98.26 ; 99.81,92.52 100.53,93.24 U35.4 ; U110.1 76.06,28.3 ; 74.81,42.52 74.81,41.42 74.13,40.74 74.13,38.73 73.28,37.87 U78.3 70.51,37.87 68.16,40.22 67.77,40.22 67.36,40.63 67.36,41.55 R128.2 ; 74.81,42.52 74.81,44.97 74.5,45.28 74.5,47.98 74.22,48.26 ; 40.42,68.25 39.79,67.62 36.61,67.62 36.08,67.09 J19.7 ; U34.1 96.65,104.15 v1(99.35,104.15) 100.1,104.15 100.95,103.3 U33.1 ; 24.81,42.52 24.81,44.97 24.5,45.28 24.5,47.98 24.22,48.26 ; 24.81,42.52 24.81,41.42 24.13,40.74 24.13,38.73 23.28,37.87 U64.3 20.51,37.87 18.16,40.22 17.77,40.22 17.36,40.63 17.36,41.55 R106.2 ; v1(105.32,27.5) 105.94,26.89 105.94,25.43 104.91,24.4 U2.1 ; 99.81,17.52 99.81,16.42 99.13,15.74 99.13,13.73 98.28,12.87 U1.3 95.51,12.87 93.16,15.22 92.77,15.22 92.36,15.63 92.36,16.55 R10.2 ; 99.81,17.52 99.81,19.97 99.5,20.28 99.5,22.98 99.22,23.26 ; v1(80.32,27.5) 80.94,26.89 80.94,25.43 79.91,24.4 U107.1 ; v1(45.81,26.02) 46.32,25.51 46.32,24.95 48.01,23.26 U101.6 ; U108.6 73.01,23.26 71.32,24.95 71.32,25.51 v1(70.81,26.02) ; 65.42,43.25 64.79,42.62 61.61,42.62 61.08,42.09 J34.7 ; U31.6 98.01,98.26 96.32,99.95 96.32,100.51 v1(95.81,101.02) ; J10.7 61.08,92.09 61.61,92.62 64.79,92.62 65.42,93.25 ; J37.7 86.08,42.09 86.61,42.62 89.79,42.62 90.42,43.25 ; 101.06,78.3 U61.1 ; v1(80.32,77.5) 80.94,76.89 80.94,75.43 79.91,74.4 U51.1 ; U38.6 23.01,73.26 21.32,74.95 21.32,75.51 v1(20.81,76.02) ; U100.1 54.91,24.4 55.94,25.43 55.94,26.89 v1(55.32,27.5) ; v1(20.81,51.02) 21.32,50.51 21.32,49.95 23.01,48.26 U66.6 ; v1(103.62,104.16) 101.59,104.16 101.03,103.59 U33.1 ; U79.1 79.91,49.4 80.94,50.43 80.94,51.89 v1(80.32,52.5) ; U103.1 51.03,28.59 51.59,29.16 v1(53.62,29.16) ; U103.1 51.06,28.3 ; U103.1 50.95,28.3 50.1,29.15 v1(49.35,29.15) 46.65,29.15 U104.1 ; v1(95.81,26.02) 96.32,25.51 96.32,24.95 98.01,23.26 U3.6 ; J4.7 11.08,92.09 11.61,92.62 14.79,92.62 15.42,93.25 ; J25.7 86.08,67.09 86.61,67.62 89.79,67.62 90.42,68.25 ; J7.7 36.08,92.09 36.61,92.62 39.79,92.62 40.42,93.25 ; U87.6 98.01,48.26 96.32,49.95 96.32,50.51 v1(95.81,51.02) ; v1(105.32,52.5) 105.94,51.89 105.94,50.43 104.91,49.4 U86.1 ; 101.06,103.3 U33.1